# KiCad board master-circuit.kicad_pcb (continued)
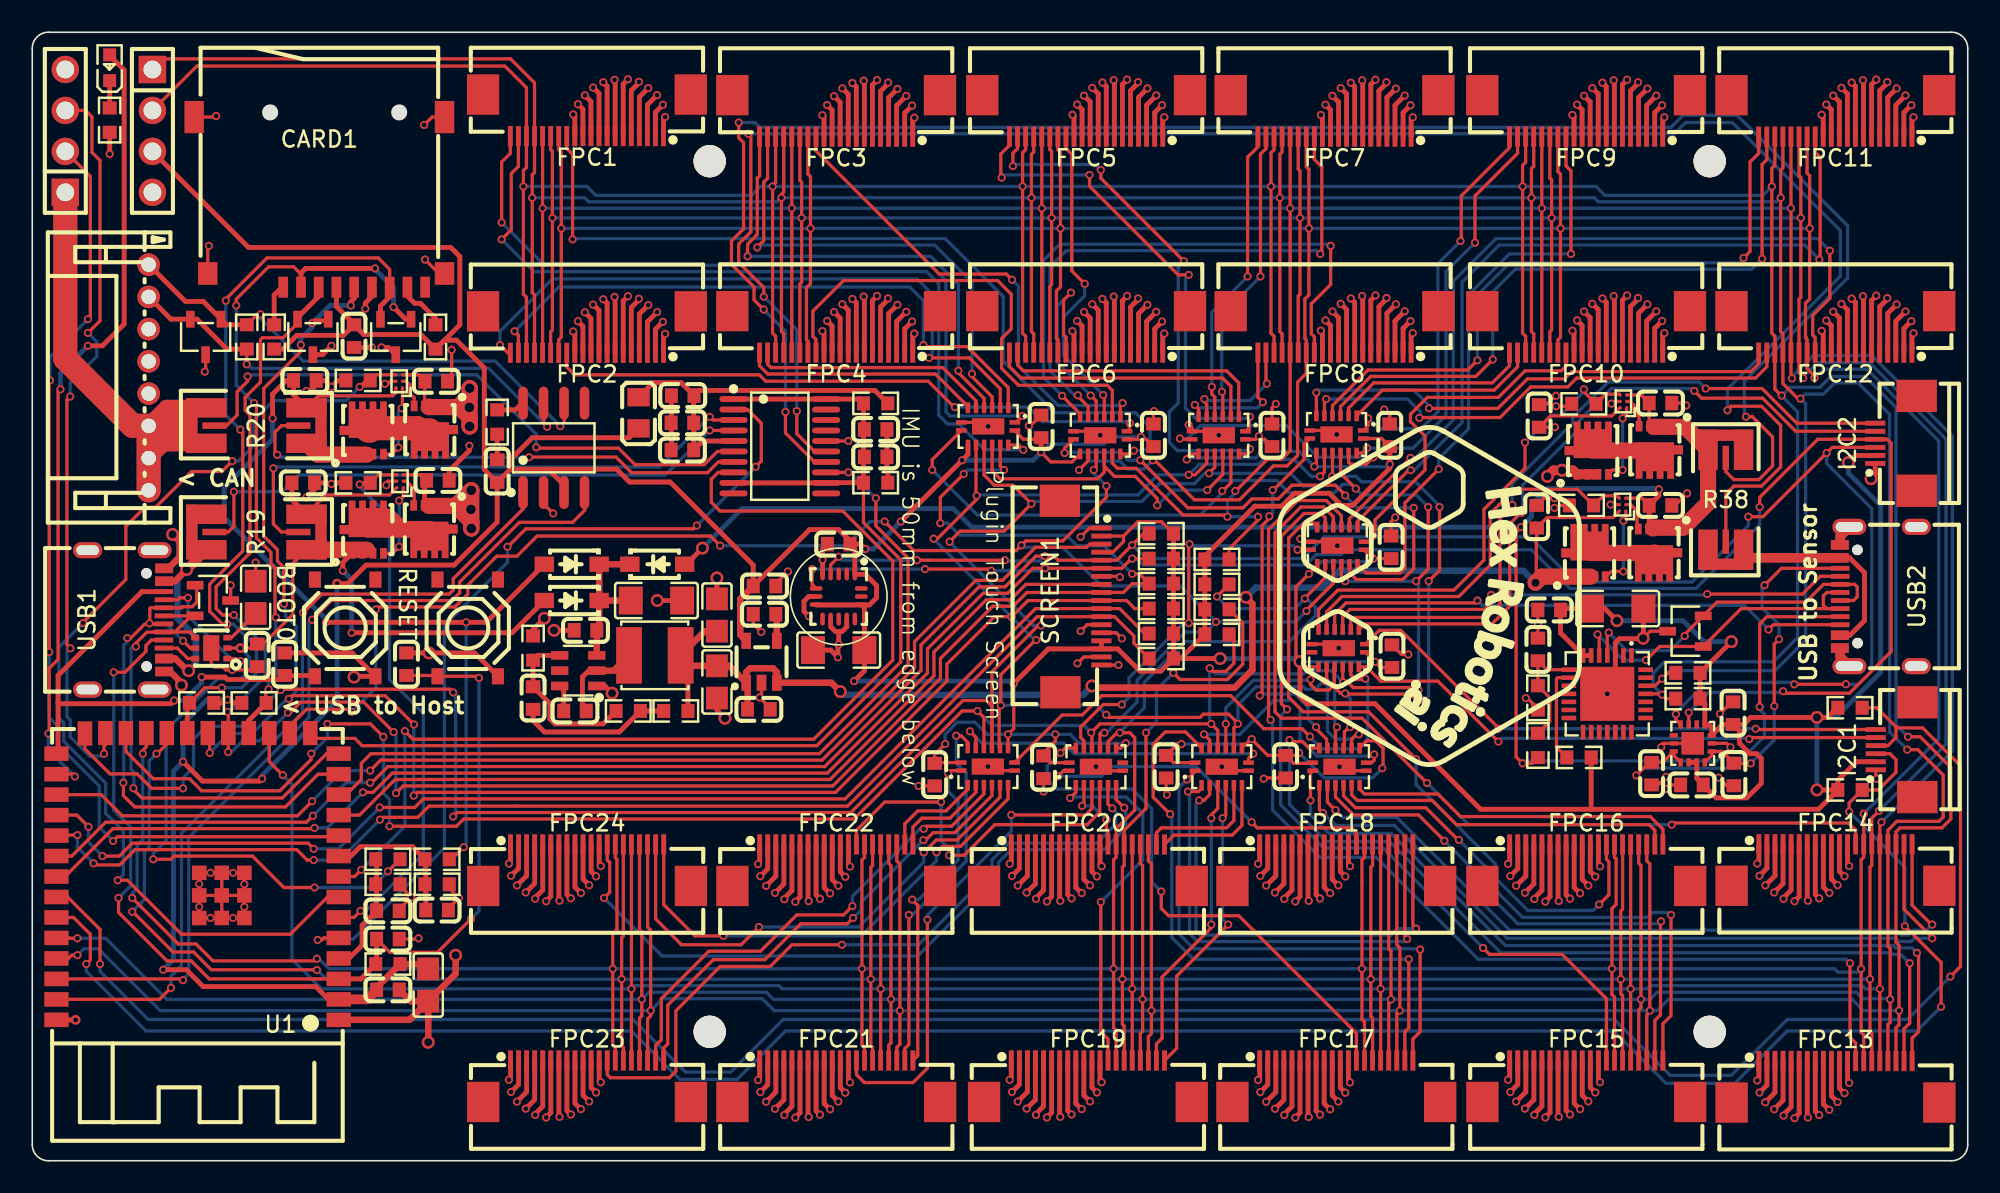
[diagram p0: board, top side]
## Routing (per net, layer and track width the routed paths; a pad name or vN(x,y) marks a point on that pad's centre or on a via; arc(x,y) is an arc through that point) (continued)
  Bottom w0.2: v1(116.85,12.9) 116.55,13.2 115.54,13.2 115.39,13.35 91.33,13.35 86.63,18.05 86.5,18.05 84.25,20.3 80.4,20.3 79.25,21.45 v1(79.25,22.35)
/group-of-8-servo-connectors1/master-to-servo-connector5/SERVO_BOOT0/STOP: length 49.5
  Top w0.2: v1(117.8,13.8) 117.7,13.9 117.7,13.95 116.05,15.6 FPC14.19 ; v1(80.03,21.58) 79.8,21.8 U26.2
  Bottom w0.2: v1(117.8,13.8) 116.69,13.8 116.49,13.6 115.71,13.6 115.51,13.8 91.45,13.8 84.45,20.8 80.8,20.8 v1(80.03,21.58)
/group-of-8-servo-connectors1/master-to-servo-connector5/SERVO_CS: length 56.3
  Top w0.2: FPC14.13 113.05,20.51 112.61,20.95 101.75,20.95 v1(101.65,20.85) ; U24.5 80.66,39.95 80.06,40.55 78.65,40.55 77.05,38.95 77.05,27.85 77.45,27.45 82.45,27.45 86.47,23.43 v1(86.48,23.43)
  Bottom w0.2: v1(101.65,20.85) 89.06,20.85 v1(86.48,23.43)
/group-of-8-servo-connectors1/master-to-servo-connector5/SERVO_NRST: length 47.7
  Top w0.2: U26.3 80.3,22.25 v1(80.8,21.75) ; v1(117.8,14.65) 117.75,14.65 116.55,15.85 FPC14.20
  Bottom w0.2: v1(117.8,14.65) 117.45,14.3 116.62,14.3 116.33,14 115.87,14 115.58,14.3 91.6,14.3 84.6,21.3 81.25,21.3 v1(80.8,21.75)
/group-of-8-servo-connectors1/master-to-servo-connector6/SERVO_BOOT0/STOP: length 33.4
  Top w0.2: U26.4 80.8,22.57 81.92,21.45 85.95,21.45 v1(87.55,19.85) ; FPC15.19 100.6,8.7 100.95,9.05 100.95,14.81 v1(100.99,14.85)
  Bottom w0.2: v1(100.99,14.85) 100.84,14.7 92.1,14.7 89.2,17.6 89.2,18.2 v1(87.55,19.85)
/group-of-8-servo-connectors1/master-to-servo-connector6/SERVO_CS: length 50
  Top w0.2: v1(89.95,13.2) 90.35,12.8 94.85,12.8 97.6,10.05 FPC15.13 ; v1(77.8,28) 77.45,28.35 77.45,38.75 78.85,40.15 79.9,40.15 80.16,39.88 U24.6
  Bottom w0.2: v1(89.95,13.2) 83.75,19.4 80.08,19.4 77.4,22.08 77.4,27.6 v1(77.8,28)
/group-of-8-servo-connectors1/master-to-servo-connector6/SERVO_NRST: length 34
  Top w0.2: v1(101.6,15.25) 101.6,9 101.1,8.5 FPC15.20 ; U26.5 81.3,22.63 82.03,21.9 86.4,21.9 88.4,19.9 v1(88.45,19.9)
  Bottom w0.2: v1(101.6,15.25) 101.45,15.4 100.45,15.4 100.15,15.1 92.4,15.1 90.15,17.35 90.15,18.2 v1(88.45,19.9)
/group-of-8-servo-connectors1/master-to-servo-connector7/SERVO_BOOT0/STOP: length 21.2
  Top w0.2: U26.6 81.8,22.7 82.15,22.35 86.8,22.35 88.3,20.85 100.25,20.85 100.6,20.5 FPC16.19
/group-of-8-servo-connectors1/master-to-servo-connector7/SERVO_CS: length 42.5
  Top w0.2: FPC16.13 97.6,18.7 97.75,18.55 97.75,16.5 v1(97.15,15.9) ; v1(85.8,24.9) 82.85,27.85 78.8,27.85 77.9,28.75 77.9,38.63 78.87,39.6 79.37,39.6 U24.7
  Bottom w0.2: v1(97.15,15.9) 96.77,15.52 92.73,15.52 90.7,17.55 90.7,18.43 85.8,23.33 v1(85.8,24.9)
/group-of-8-servo-connectors1/master-to-servo-connector7/SERVO_NRST: length 21
  Top w0.2: U26.7 82.3,23.05 82.6,22.75 87.15,22.75 88.55,21.35 100.31,21.35 101.1,20.56 FPC16.20
/group-of-8-servo-connectors1/master-to-servo-connector/SERVO_BOOT0/STOP: length 25.6
  Top w0.2: U25.15 82.44,43.89 82.75,44.2 v1(82.75,44.21) ; v1(89.45,56.95) 89.45,59.85 92.09,62.49 FPC9.19
  Bottom w0.2: v1(89.45,56.95) 87.65,55.15 87.65,46.25 85.6,44.2 82.76,44.2 v1(82.75,44.21)
/group-of-8-servo-connectors1/master-to-servo-connector/SERVO_CS: length 36.7
  Top w0.2: v1(87.2,42.9) 85.1,40.8 85.1,36.75 84.81,36.46 82.7,36.46 U24.15 ; v1(95.4,56.25) 95.4,61.4 95.09,61.71 FPC9.13
  Bottom w0.2: v1(87.2,42.9) 87.2,43.55 89.05,45.4 89.05,53.72 91.58,56.25 v1(95.4,56.25)
/group-of-8-servo-connectors1/master-to-servo-connector/SERVO_NRST: length 24.8
  Top w0.2: U25.1 82.82,45.6 v1(82.82,46.05) ; v1(88.55,57.05) 88.6,57.1 88.6,59.85 91.59,62.84 FPC9.20
  Bottom w0.2: v1(88.55,57.05) 87.15,55.65 87.15,46.45 86.1,45.4 83.47,45.4 v1(82.82,46.05)
/group-of-8-servo-connectors1/SHIFT_BANK1_DATA_OUT: length 24
  Top w0.2: v1(71.75,38.25) 71.7,38.2 v1(71.7,33.35) ; v1(67.55,28.3) 66.4,28.3 65,26.9 65,26.25 65.2,26.05 U27.14 ; v1(78.45,37.9) U24.9
  Bottom w0.2: v1(71.7,33.35) 71.4,33.35 68,29.95 68,28.75 v1(67.55,28.3) ; v1(78.45,37.9) 78.2,38.15 71.85,38.15 v1(71.75,38.25)
/group-of-8-servo-connectors1/SHIFT_BANK_2_DATA_OUT: length 15.9
  Top w0.2: U26.9 83.04,24.69 83.2,24.85 v1(83.2,25.2) ; U28.14 73,26.1 v1(72.65,26.45)
  Bottom w0.2: v1(83.2,25.2) 83.1,25.1 79.65,25.1 78.6,26.15 78.6,28.05 78.1,28.55 76.97,28.55 74.88,26.45 v1(72.65,26.45)
/group-of-8-servo-connectors2/master-to-servo-connector1/SERVO_BOOT0/STOP: length 29.7
  Top w0.2: U28.2 72.5,23.1 72.3,22.9 v1(71.65,22.9) ; FPC18.19 85.1,13.9 v1(85.25,13.75)
  Bottom w0.2: v1(85.25,13.75) 85.1,13.6 72.25,13.6 71.75,14.1 71.75,22.8 v1(71.65,22.9)
/group-of-8-servo-connectors2/master-to-servo-connector1/SERVO_CS: length 22
  Top w0.2: FPC18.13 82.1,20.35 81.8,20.65 75.95,20.65 v1(75.6,21) ; v1(63.6,23.85) 63.94,24.19 U27.1
  Bottom w0.2: v1(75.6,21) 72.15,24.45 66.9,24.45 66.3,23.85 v1(63.6,23.85)
/group-of-8-servo-connectors2/master-to-servo-connector1/SERVO_NRST: length 28.8
  Top w0.2: U28.3 73,22.71 72.64,22.35 v1(72.35,22.35) ; v1(85.8,14.4) 85.6,14.6 FPC18.20
  Bottom w0.2: v1(72.35,22.35) 72.15,22.15 72.15,14.27 72.42,14 84.25,14 84.65,14.4 v1(85.8,14.4)
/group-of-8-servo-connectors2/master-to-servo-connector2/SERVO_BOOT0/STOP: length 18.6
  Top w0.2: v1(73.1,21.25) 73.1,21.45 73.5,21.85 U28.4 ; v1(73.1,14.65) 73.1,14.45 70.05,11.4 70.05,7.6 69.7,7.25 FPC19.19
  Bottom w0.2: v1(73.1,14.65) v1(73.1,21.25)
/group-of-8-servo-connectors2/master-to-servo-connector2/SERVO_CS: length 22.5
  Top w0.2: U27.2 64.7,22.85 v1(64.35,22.5) ; FPC19.13 66.7,7.55 66.25,8 v1(66.25,16.05)
  Bottom w0.2: v1(64.35,22.5) 64.41,22.56 67.81,22.56 68.85,21.53 68.85,18.65 v1(66.25,16.05)
/group-of-8-servo-connectors2/master-to-servo-connector2/SERVO_NRST: length 18.9
  Top w0.2: v1(74.15,14.65) 70.95,11.45 70.95,6.97 FPC19.20 ; v1(73.8,21.25) 74,21.45 U28.5
  Bottom w0.2: v1(73.8,21.25) 73.8,15 v1(74.15,14.65)
/group-of-8-servo-connectors2/master-to-servo-connector3/SERVO_BOOT0/STOP: length 8
  Top w0.2: U28.6 74.5,21.1 74.05,20.65 70,20.65 69.7,20.35 FPC20.19
/group-of-8-servo-connectors2/master-to-servo-connector3/SERVO_CS: length 4.8
  Top w0.2: v1(65.09,22.01) 65.2,22.13 U27.3 ; FPC20.13 66.7,20.5 66.6,20.6 v1(66.6,21.15)
  Bottom w0.2: v1(65.09,22.01) 65.74,22.01 v1(66.6,21.15)
/group-of-8-servo-connectors2/master-to-servo-connector3/SERVO_NRST: length 7.8
  Top w0.2: U28.7 75,20.8 74.4,20.2 70.78,20.2 FPC20.20
/group-of-8-servo-connectors2/master-to-servo-connector4/SERVO_BOOT0/STOP: length 23.3
  Top w0.2: v1(57.29,26.36) 57.59,26.36 58,25.95 U29.15 ; FPC21.19 54.1,6.96 54.35,7.21 v1(54.35,15.25)
  Bottom w0.2: v1(57.29,26.36) 57.29,24.66 57.9,24.05 57.9,18.58 54.57,15.25 v1(54.35,15.25)
/group-of-8-servo-connectors2/master-to-servo-connector4/SERVO_CS: length 30.3
  Top w0.2: FPC21.13 51.1,5.34 51.59,4.85 54.61,4.85 55.5,5.74 v1(55.5,14.95) ; U27.4 65.7,21.85 65.3,21.45 v1(60.7,21.45)
  Bottom w0.2: v1(55.5,14.95) 55.5,15.23 60.7,20.43 v1(60.7,21.45)
/group-of-8-servo-connectors2/master-to-servo-connector4/SERVO_NRST: length 20.6
  Top w0.2: v1(54.55,16.2) 54.9,15.85 54.9,6.52 FPC21.20 ; v1(56.79,24.03) 56.96,24.2 U29.1
  Bottom w0.2: v1(54.55,16.2) 54.95,16.2 57.4,18.65 57.4,22.3 56.79,22.91 v1(56.79,24.03)
/group-of-8-servo-connectors2/master-to-servo-connector5/SERVO_BOOT0/STOP: length 6.3
  Top w0.2: U29.2 58,23.05 56.65,21.7 54.9,21.7 54.1,20.9 FPC22.19
/group-of-8-servo-connectors2/master-to-servo-connector5/SERVO_CS: length 22.5
  Top w0.2: v1(56.35,22.25) 52.85,22.25 51.1,20.5 FPC22.13 ; U27.5 66.19,23.27 66.19,21.64 65.4,20.85 59.68,20.85 57.78,18.95 v1(56.85,18.95)
  Bottom w0.2: v1(56.85,18.95) 56.85,19.35 56.35,19.85 v1(56.35,22.25)
/group-of-8-servo-connectors2/master-to-servo-connector5/SERVO_NRST: length 6.3
  Top w0.2: FPC22.20 54.6,20.7 55.15,21.25 56.9,21.25 58.5,22.85 U29.3
/group-of-8-servo-connectors2/master-to-servo-connector6/SERVO_BOOT0/STOP: length 30.1
  Top w0.2: FPC23.19 38.65,7.15 39,7.5 39,10.05 41.95,13 45.15,13 47.4,15.25 50.3,15.25 v1(50.85,15.8) ; v1(55.26,20.59) 55.43,20.75 57,20.75 59,22.75 U29.4
  Bottom w0.2: v1(50.85,15.8) 50.85,16.4 55.04,20.59 v1(55.26,20.59)
/group-of-8-servo-connectors2/master-to-servo-connector6/SERVO_CS: length 44.2
  Top w0.2: v1(66.96,21.86) 66.69,22.14 66.69,23.27 U27.6 ; FPC23.13 35.65,5.34 35.84,5.15 39.5,5.15 39.9,5.55 39.9,9.3 42.65,12.05 45.75,12.05 47.1,13.4 v1(50.2,13.4)
  Bottom w0.2: v1(66.96,21.86) 67.19,21.64 67.19,20.89 66,19.7 60.53,19.7 59.5,18.67 59.5,17.95 54.95,13.4 v1(50.2,13.4)
/group-of-8-servo-connectors2/master-to-servo-connector6/SERVO_NRST: length 29.9
  Top w0.2: v1(50.89,15.06) 50.53,14.7 47.65,14.7 45.43,12.47 42.22,12.47 39.4,9.65 39.4,7.25 39.15,7 FPC23.20 ; v1(55.25,19.89) 55.39,19.89 55.85,20.35 57.2,20.35 59.5,22.65 U29.5
  Bottom w0.2: v1(55.25,19.89) 51.4,16.04 51.4,15.55 50.91,15.06 v1(50.89,15.06)
/group-of-8-servo-connectors2/master-to-servo-connector7/SERVO_BOOT0/STOP: length 31.5
  Top w0.2: U29.6 60,22.55 57.35,19.9 56.05,19.9 55.28,19.13 v1(55.27,19.13) ; FPC24.19 38.65,15 40.25,13.4 43.95,13.4 v1(45.05,14.5)
  Bottom w0.2: v1(55.27,19.13) 55.27,18.52 51.25,14.5 v1(45.05,14.5)
/group-of-8-servo-connectors2/master-to-servo-connector7/SERVO_CS: length 44.2
  Top w0.2: 67.19,23.09 67.2,23.11 U27.7 67.2,22.4 v1(67.7,21.9) ; v1(35.45,16.3) 35.8,16.65 35.8,18.51 35.65,18.66 FPC24.13
  Bottom w0.2: v1(67.7,21.9) 67.8,21.8 67.8,20.65 66.45,19.3 60.7,19.3 59.9,18.5 59.9,17.7 54.9,12.7 39.05,12.7 v1(35.45,16.3)
/group-of-8-servo-connectors2/master-to-servo-connector7/SERVO_NRST: length 30.6
  Top w0.2: v1(42.85,13.95) 41.08,13.95 39.15,15.88 FPC24.20 ; v1(56.06,19.14) 56.43,19.5 57.55,19.5 60.5,22.45 U29.7
  Bottom w0.2: v1(42.85,13.95) 51.4,13.95 56.06,18.61 v1(56.06,19.14)
/group-of-8-servo-connectors2/master-to-servo-connector/SERVO_BOOT0/STOP: length 37.8
  Top w0.2: v1(70.55,21.5) 69.5,22.55 69.5,25.85 70.25,26.6 71.5,26.6 U28.15 ; v1(85.34,12.5) 85.34,8.24 85.1,8 FPC17.19
  Bottom w0.2: v1(70.55,21.5) 70.55,21.5 70.65,21.4 70.65,13.85 72,12.5 v1(85.34,12.5)
/group-of-8-servo-connectors2/master-to-servo-connector/SERVO_CS: length 33.7
  Top w0.2: FPC17.13 82.1,7.9 74.8,15.2 70.45,15.2 70,15.65 v1(70,16.7) ; v1(63.75,25.3) 64.05,25.6 U27.15
  Bottom w0.2: v1(63.75,25.3) 62.93,24.48 62.93,23.67 63.55,23.05 68.2,23.05 69.4,21.85 69.4,17.3 v1(70,16.7)
/group-of-8-servo-connectors2/master-to-servo-connector/SERVO_NRST: length 33
  Top w0.2: v1(86.05,13.1) 86.05,8 85.6,7.55 FPC17.20 ; v1(71.6,23.65) 72.09,24.14 U28.1
  Bottom w0.2: v1(71.6,23.65) 71.1,23.15 71.1,14.07 72.02,13.15 86,13.15 v1(86.05,13.1)
/group-of-8-servo-connectors/master-to-servo-connector1/SERVO_BOOT0/STOP: length 38.6
  Top w0.2: v1(55.25,50.6) 55.35,50.5 57.97,50.5 60.51,47.95 U22.2 ; v1(29.9,51.45) 30.14,51.21 FPC2.19
  Bottom w0.2: v1(29.9,51.45) 32.65,54.2 54.4,54.2 55.25,53.35 v1(55.25,50.6)
/group-of-8-servo-connectors/master-to-servo-connector1/SERVO_CS: length 37.9
  Top w0.2: FPC2.13 33.14,49.24 33.63,48.75 45.08,48.75 45.48,48.35 55.55,48.35 57,46.9 57.05,46.9 v1(57.2,46.75) ; U21.1 68.03,45.41 68.03,45.73 v1(68.05,45.75)
  Bottom w0.2: v1(57.2,46.75) 61.75,46.75 62.65,45.85 67.95,45.85 68.02,45.78 68.02,45.72 v1(68.05,45.75)
/group-of-8-servo-connectors/master-to-servo-connector1/SERVO_NRST: length 40.6
  Top w0.2: FPC2.20 29.49,50.11 v1(29,50.6) ; v1(55.6,49.8) 58.1,49.8 60.01,47.89 U22.3
  Bottom w0.2: v1(55.6,49.8) 55.8,50 55.8,53.75 54.85,54.7 32.25,54.7 29,51.45 v1(29,50.6)
/group-of-8-servo-connectors/master-to-servo-connector2/SERVO_BOOT0/STOP: length 29.8
  Top w0.2: v1(44.95,56.65) 44.95,56.67 45.35,57.07 45.35,60.7 45.59,60.94 FPC3.19 ; v1(58.26,48.81) 58.26,48.64 59.51,47.39 U22.4
  Bottom w0.2: v1(44.95,56.65) 44.95,56.67 45.08,56.8 55.95,56.8 58.26,54.49 v1(58.26,48.81)
/group-of-8-servo-connectors/master-to-servo-connector2/SERVO_CS: length 30.3
  Top w0.2: FPC3.13 48.59,62.65 56.24,55 60.4,55 v1(60.75,54.65) ; U21.2 67.46,46.86 v1(67.6,47)
  Bottom w0.2: v1(67.6,47) 67.45,46.85 63.6,46.85 61.15,49.3 61.15,54.25 v1(60.75,54.65)
/group-of-8-servo-connectors/master-to-servo-connector2/SERVO_NRST: length 29.9
  Top w0.2: v1(57.42,49.01) 57.41,49 57.41,48.89 59.01,47.29 U22.5 ; v1(44.35,56.1) 44.35,56.85 44.95,57.45 44.95,60.95 45.1,61.1 45.1,63.52 FPC3.20
  Bottom w0.2: v1(44.35,56.1) 55.7,56.1 57.42,54.38 v1(57.42,49.01)
/group-of-8-servo-connectors/master-to-servo-connector3/SERVO_BOOT0/STOP: length 15
  Top w0.2: U22.6 58.51,47.14 56.45,49.2 45.8,49.2 45.59,49.41 FPC4.19
/group-of-8-servo-connectors/master-to-servo-connector3/SERVO_CS: length 30
  Top w0.2: U21.3 66.96,47.79 66.65,48.1 61.15,48.1 60.1,49.15 60.1,51 60.7,51.6 60.7,53.75 59.85,54.6 50.3,54.6 48.4,52.7 48.4,51.14 48.59,50.95 FPC4.13
/group-of-8-servo-connectors/master-to-servo-connector3/SERVO_NRST: length 14.9
  Top w0.2: U22.7 58.01,46.79 56,48.8 45.6,48.8 45.09,49.31 FPC4.20
/group-of-8-servo-connectors/master-to-servo-connector4/SERVO_BOOT0/STOP: length 33.1
  Top w0.2: v1(75.5,44.15) 75.5,44 75.34,43.84 U23.15 ; v1(60.8,61.7) 60.8,62.49 61.09,62.78 FPC5.19 ; v1(66.25,61.45) 66.25,60.95 v1(71.4,55.8)
  Bottom w0.2: v1(71.4,55.8) 71.05,55.45 71.05,47 70.5,46.45 70.5,44.55 71,44.05 75.4,44.05 v1(75.5,44.15) ; v1(60.8,61.7) 60.85,61.7 60.95,61.8 65.9,61.8 v1(66.25,61.45)
/group-of-8-servo-connectors/master-to-servo-connector4/SERVO_CS: length 19.4
  Top w0.2: v1(66.4,47.5) 66.46,47.44 U21.4 ; FPC5.13 64.09,62.78 64.45,62.42 64.45,55.2 v1(65.25,54.4)
  Bottom w0.2: v1(66.4,47.5) 63.94,49.96 63.94,52.34 65.25,53.65 v1(65.25,54.4)
/group-of-8-servo-connectors/master-to-servo-connector4/SERVO_NRST: length 31.1
  Top w0.2: v1(75.5,46.15) 75.45,46.1 75.45,45.48 U23.1 ; v1(65.55,61.15) 65.55,60.45 71.05,54.95 v1(71.7,54.95) ; v1(60.1,60.98) 60.05,61.03 60.05,62.45 60.59,62.99 FPC5.20
  Bottom w0.2: v1(60.1,60.98) 60.1,61.05 60.2,61.15 v1(65.55,61.15) ; v1(75.5,46.15) 75.4,46.05 72.13,46.05 71.5,46.68 71.5,54.75 v1(71.7,54.95)
/group-of-8-servo-connectors/master-to-servo-connector5/SERVO_BOOT0/STOP: length 17
  Top w0.2: U23.2 74.8,46.17 74.8,48.25 74.05,49 61.45,49 61.09,49.36 FPC6.19
/group-of-8-servo-connectors/master-to-servo-connector5/SERVO_CS: length 13
  Top w0.2: U21.5 65.96,47.14 65.63,47.47 v1(65.62,47.47) ; v1(64.4,53.85) 63.94,53.39 63.94,51.23 64.09,51.08 FPC6.13
  Bottom w0.2: v1(64.4,53.85) 63.54,52.99 63.54,49.55 v1(65.62,47.47)
/group-of-8-servo-connectors/master-to-servo-connector5/SERVO_NRST: length 17
  Top w0.2: FPC6.20 60.59,49.26 61.3,48.55 73.8,48.55 74.31,48.04 U23.3
/group-of-8-servo-connectors/master-to-servo-connector6/SERVO_BOOT0/STOP: length 18.5
  Top w0.2: U23.4 73.81,47.65 v1(73.76,47.7) ; FPC7.19 76.49,62.78 76.15,62.44 v1(76.15,54.85)
  Bottom w0.2: v1(76.15,54.85) 73.75,52.45 73.75,47.71 v1(73.76,47.7)
/group-of-8-servo-connectors/master-to-servo-connector6/SERVO_CS: length 35.1
  Top w0.2: FPC7.13 79.49,62.11 79.95,61.65 79.95,56.35 v1(79.85,56.25) ; U21.6 65.46,46.79 64.83,47.42 v1(64.83,47.48)
  Bottom w0.2: v1(79.85,56.25) 79.65,56.45 64.1,56.45 63.1,55.45 63.1,49 64.62,47.48 v1(64.83,47.48)
/group-of-8-servo-connectors/master-to-servo-connector6/SERVO_NRST: length 18.6
  Top w0.2: v1(73.13,48) 73.13,47.55 73.31,47.37 U23.5 ; v1(75.35,54.85) 75.35,62.25 75.99,62.89 FPC7.20
  Bottom w0.2: v1(75.35,54.85) 73.13,52.63 v1(73.13,48)
/group-of-8-servo-connectors/master-to-servo-connector7/SERVO_BOOT0/STOP: length 7.5
  Top w0.2: FPC8.19 76.49,48.26 v1(76.55,48.2) ; v1(72.67,47.25) 72.67,47.08 72.81,46.94 U23.6
  Bottom w0.2: v1(76.55,48.2) 75.5,47.15 72.77,47.15 v1(72.67,47.25)
/group-of-8-servo-connectors/master-to-servo-connector7/SERVO_CS: length 36.1
  Top w0.2: U21.7 64.96,46.34 v1(63.85,47.45) ; FPC8.13 79.49,51.11 79.3,51.3 79.3,53.15 80.5,54.35 v1(80.5,56.75)
  Bottom w0.2: v1(63.85,47.45) 62.7,48.6 62.7,55.85 63.7,56.85 80.35,56.85 80.45,56.75 v1(80.5,56.75)
/group-of-8-servo-connectors/master-to-servo-connector7/SERVO_NRST: length 8.5
  Top w0.2: FPC8.20 75.99,47.36 v1(76.3,47.05) ; v1(72.08,46.89) 72.08,46.87 72.31,46.64 U23.7
  Bottom w0.2: v1(72.08,46.89) 72.26,46.7 75.95,46.7 v1(76.3,47.05)
/group-of-8-servo-connectors/master-to-servo-connector/SERVO_BOOT0/STOP: length 50.4
  Top w0.2: FPC1.19 30.14,61.68 29.7,61.24 29.7,57.75 v1(29.1,57.15) ; U22.15 61.16,44.39 v1(61.45,44.1)
  Bottom w0.2: v1(61.45,44.1) 59.05,44.1 57.45,45.7 56.75,45.7 56.2,46.25 56.2,54.4 55.45,55.15 31.1,55.15 v1(29.1,57.15)
/group-of-8-servo-connectors/master-to-servo-connector/SERVO_CS: length 52.7
  Top w0.2: U21.15 68.09,43.84 v1(68.3,44.05) ; FPC1.13 33.14,62.78 33.5,62.42 v1(33.5,57.15)
  Bottom w0.2: v1(33.5,57.15) 33.55,57.2 56.6,57.2 60.2,53.6 60.2,49.6 63.4,46.4 68.4,46.4 69.3,45.5 69.3,44.4 68.95,44.05 v1(68.3,44.05)
/group-of-8-servo-connectors/master-to-servo-connector/SERVO_NRST: length 48.3
  Top w0.2: v1(29.1,58.2) 29.1,61.95 29.64,62.49 FPC1.20 ; U22.1 61,45.8 v1(61.4,46.2)
  Bottom w0.2: v1(29.1,58.2) 31.75,55.55 55.68,55.55 56.65,54.58 56.65,46.45 56.9,46.2 v1(61.4,46.2)
/group-of-8-servo-connectors/SHIFT_BANK1_DATA_OUT: length 34.1
  Top w0.2: v1(81.4,41.26) 81.26,41.41 81.26,41.44 80.8,41.9 78.1,41.9 77.25,41.05 75.61,41.05 75.06,40.5 71.65,40.5 v1(68.7,43.45) ; v1(85.65,40.5) 85.65,36.73 84.97,36.05 82.1,36.05 81.66,36.49 U24.14 ; v1(64,43.9) 64,44.19 U21.9
  Bottom w0.2: v1(68.7,43.45) 67.95,43.45 67.45,43.95 64.3,43.95 64.25,43.9 v1(64,43.9) ; v1(85.65,40.5) 82.15,40.5 81.4,41.25 v1(81.4,41.26)
/group-of-8-servo-connectors/SHIFT_BANK_2_DATA_OUT: length 16.3
  Top w0.2: U25.14 81.61,43.32 81.73,43.2 82.7,43.2 83.13,43.63 v1(83.15,43.63) ; U23.9 71.2,44.75 v1(71.15,44.8)
  Bottom w0.2: v1(71.15,44.8) 71.63,44.8 72.43,45.6 77.75,45.6 79.7,43.65 83.13,43.65 v1(83.15,43.63)
/LDO-Bypass-Capacitor: length 1.7
  Top w0.4: C9.2 46.16,33.84 U3.4
BATTERY_1: length 60.2
  Top w0.2: v1(1.1,48.4) 1.05,48.35 v1(1.05,31.55) ; v1(3.45,52.2) 3.6,52.35 3.6,61.06 H2.2 ; U1.10 18.93,20.1 5.28,20.1 v1(5.01,19.84)
  Bottom w0.2: v1(5.01,19.84) 4.15,20.7 4.15,23.25 1.55,25.85 1.55,27 1.05,27.5 v1(1.05,31.55) ; v1(1.1,48.4) 1.1,49.85 v1(3.45,52.2)
BATTERY_2: length 46
  Top w0.2: U1.25 4.53,25.81 4.45,25.73 v1(4.45,25.25) ; H2.3 3.3,65.15 3.7,64.75 3.7,62.55 4.2,62.05 4.2,52.1 v1(3.45,51.35) ; v1(2.35,47.4) 2.15,47.2 2.15,32 v1(2.36,31.79)
  Bottom w0.2: v1(3.45,51.35) 4,50.8 4,49.9 2.35,48.25 v1(2.35,47.4) ; v1(4.45,25.25) 4.3,25.1 3.55,25.1 2.35,26.3 2.35,27.33 2.15,27.53 2.15,31.57 v1(2.36,31.79)
BATTERY_CURRENT: length 65.7
  Top w0.2: 43.48,42.7 42.52,42.7 42.1,42.28 42.1,40.85 42.65,40.3 50.25,40.3 53.35,37.2 53.35,31.05 48.45,26.15 23.6,26.15 v1(23.1,26.65) ; U1.8 19.98,17.63 v1(20.4,18.05)
  Bottom w0.2: v1(23.1,26.65) 23.1,20.75 v1(20.4,18.05)
BATTERY_VOLTAGE: length 9.1
  Top w0.3: C11.2 24.4,18.65 R4.1 23.56,19.48 20.33,19.48 19.75,18.9 U1.9
BOOT0: length 30.6
  Top w0.3: SW1.1 17.47,30.1 C4.2 15.4,29.85 12.1,29.85 11.95,30 v1(10.5,30) ; 1.6,28.4 1.6,30.1 6.8,35.3 USB1.B8 ; 1.6,28.4 1.6,25.35 U1.27 ; 1.6,28.4 1.65,28.35 8.6,28.35 v1(8.8,28.55)
  Bottom w0.3: v1(8.8,28.55) 9.4,28.55 10.5,29.65 v1(10.5,30)
Buck-FB: length 10.4
  Top w0.3: R5.1 35.4,27.1 32.4,27.1 32.1,27.4 32.1,28.35 C6.1 R6.2 31.35,31.35 U4.4
CAN_RX: length 54.8
  Top w0.2: v1(17.35,33.56) 18.54,34.75 26.02,34.75 26.5,35.23 26.5,35.9 30.2,39.6 33.5,39.6 34.25,40.36 34.25,41.53 ; U1.38 9.27,11.28 v1(9.35,11.2)
  Bottom w0.2: v1(9.35,11.2) 9.35,11.25 9.7,11.6 9.7,20.05 17.15,27.5 17.15,33.36 v1(17.35,33.56)
CAN_TX: length 51.9
  Top w0.2: v1(16.8,34) 17.95,35.15 25.85,35.15 26.1,35.4 26.1,36.1 30.44,40.44 30.44,41.53 ; U1.39 7.88,10.01 v1(8.6,10.73)
  Bottom w0.2: v1(16.8,34) 16.75,33.95 16.75,27.8 9.25,20.3 9.25,12.1 8.6,11.45 v1(8.6,10.73)
CANH: length 30.2
  Top w0.2: v1(13.3,49.4) R16.2 ; 31.72,47.07 31.72,45.73 v1(31.92,45.53)
  Top w0.3: R16.2 12.07,50.35 10.21,52.2 D7.2 8.6,52.2 U19.2
  Bottom w0.2: v1(31.92,45.53) 28.3,49.15 27.73,49.15 27.73,49.15 13.63,49.15 13.58,49.2 13.5,49.2 v1(13.3,49.4)
CANL: length 32
  Top w0.2: R16.1 13.3,51.85 13.95,52.5 v1(14.15,52.5) ; 32.98,47.07 32.98,45.81 v1(32.74,45.56)
  Top w0.3: R16.1 12.05,51.85 D7.1 10.6,53.3 9.5,53.3 U19.1
  Bottom w0.2: v1(32.74,45.56) 28.7,49.6 16.8,49.6 14.15,52.25 v1(14.15,52.5)
CC1: length 7.9
  Top w0.2: USB1.A5 9.02,34.8 9.14,34.92 v1(9.65,34.92) ; U5.1 12.6,31.15 12.75,31 v1(12.9,31)
  Bottom w0.2: v1(9.65,34.92) 9.65,33.8 12.45,31 v1(12.9,31)
CC2: length 2.2
  Top w0.2: USB1.B5 8.99,31.8 9.64,31.15 U5.6
CONNECT_BATTERY: length 63.1
  Top w0.2: 22.55,48.75 21.3,48.75 R34.2 20.7,48.4 v1(20.3,48) ; U1.7 18.31,16.36 16,14.05 9.25,14.05 5.9,17.4 v1(5.3,17.4) ; v1(3.15,33.35) 3.15,33.4 5.8,36.05 5.8,39.35 6.98,40.53 7.65,40.53 9.87,42.75 11.75,42.75 v1(12.4,43.4)
  Bottom w0.2: v1(12.4,43.4) 12.78,43.4 13.75,44.37 13.75,45.95 14.95,47.15 19.45,47.15 v1(20.3,48) ; v1(5.3,17.4) 5.65,17.75 5.65,20.45 4.55,21.55 4.55,23.42 1.95,26.02 1.95,27.17 1.65,27.47 1.65,31.85 v1(3.15,33.35)
CONNECT_SENSORS_5V: length 25
  Top w0.2: U8.6 80.25,34.05 81.2,35 88.45,35 90.4,36.95 90.4,40.15 91.9,41.65 95.8,41.65 R37.2 97.4,41.25 97.4,41.25 98.25,41.25 U13.C2
CONNECT_SENSORS_VCC: length 29.2
  Top w0.2: U8.7 79.75,34.2 80.95,35.4 88.15,35.4 90,37.25 90,40.4 92.55,42.95 v1(92.55,44.55) ; U7.C2 98.4,47.55 97.55,47.55 R35.2 96.2,47.7 v1(96.2,47.85)
  Bottom w0.2: v1(96.2,47.85) 96.2,47.7 94.75,46.25 94.25,46.25 v1(92.55,44.55)
CONNECT_VBUS: length 34
  Top w0.2: v1(20.3,41.95) 20.45,41.95 20.55,42.05 R36.2 21.45,42.55 U12.C2 ; U1.6 19.94,15.09 v1(20.35,15.5)
  Bottom w0.2: v1(20.3,41.95) 20.3,41.8 22.15,39.95 22.15,29.85 24.25,27.75 24.25,19.05 20.7,15.5 v1(20.35,15.5)
FSPICLK/SPI2_CLK: length 184.6
  Top w0.2: v1(82.25,26.45) 82.1,26.45 81.8,26.15 U26.11 ; v1(62.25,32.3) 62.2,32.3 60.05,30.15 v1(60.05,28.25) 59.95,28.15 59.95,25.66 U29.11 ; U8.11 80.25,29.83 v1(80.17,29.75) ; U25.11 80.11,42.72 v1(79.85,42.45) ; v1(55.89,38.59) 56.11,38.59 58.55,41.02 v1(58.55,41.25) 58.51,41.29 U22.11 ; v1(66.59,27.66) 66.75,27.5 72.4,27.5 72.6,27.7 74.18,27.7 74.75,27.13 v1(74.75,27.1) 74.5,26.85 U28.11 ; v1(23.65,22.65) 23.85,22.85 49.8,22.85 56.71,29.75 56.71,30.81 59.65,33.75 60.7,33.75 v1(60.72,33.73) 61.74,34.75 SCREEN1.10 67.85,34.75 68.35,34.25 R14.1 ; v1(15.6,34.55) 15.6,36.8 15.2,37.2 15.2,37.9 14.35,38.75 14.35,45.35 14.35,45.35 14.35,47.9 16.65,50.2 v1(16.65,50.6) ; v1(11,25.3) 11,26.42 U1.20 ; v1(15.9,28.65) 16.1,28.85 21.88,28.85 v1(23.67,27.06) ; U23.11 72.81,43.27 72.1,42.55 v1(71.7,42.55)
  Top w0.3: CARD1.5 19.96,53.49 19.75,53.28 v1(19.75,53.05) ; v1(17.35,51.95) 17.5,52.1 18.25,52.1 D6.1 18.3,52.15 18.3,52.15
  Bottom w0.2: v1(55.89,38.59) 55.89,38.56 v1(60.72,33.73) 60.7,33.71 60.74,33.71 62.15,32.3 v1(62.25,32.3) ; v1(66.59,27.66) 66,28.25 v1(60.05,28.25) ; v1(15.6,34.55) 15.7,34.45 15.7,33.8 16.35,33.15 16.35,29.1 v1(15.9,28.65) 15.8,28.65 13.65,26.5 12.2,26.5 v1(11,25.3) ; v1(23.65,22.65) 23.65,27.05 23.65,27.05 v1(23.67,27.06) ; v1(82.25,26.45) 82.1,26.45 81.8,26.15 80.8,26.15 80.3,26.65 80.3,29.62 v1(80.17,29.75) 80.05,29.75 79.55,29.25 78.95,29.25 78.8,29.4 75.87,29.4 74.75,28.28 v1(74.75,27.1) ; v1(79.85,42.45) 79.3,42.45 78.25,43.5 76.35,43.5 76.05,43.2 72.35,43.2 v1(71.7,42.55) 69.8,42.55 68.55,41.3 58.6,41.3 v1(58.55,41.25)
  Bottom w0.3: v1(16.65,50.6) 16.65,51 17.35,51.7 v1(17.35,51.95) 18.45,53.05 v1(19.75,53.05)
FSPICS0/MEMORY_CS: length 44.6
  Top w0.2: v1(13.75,47) 13.9,46.85 13.9,38.63 14.8,37.73 14.8,37.03 15.05,36.78 15.05,33.75 v1(15.1,33.7) ; CARD1.2 16.66,54.99 16.2,55.45 14.65,55.45 12.65,53.45 v1(12.65,53.05) ; v1(14.65,29.25) 14.47,29.07 14.47,28.43 R9.1
  Top w0.3: 14.25,28.4 R9.1 13.42,27.32 U1.18 ; CARD1.2 16.66,55.06 16.95,55.35 v1(21.25,55.35) ; v1(22.4,52.95) 23.15,52.2 D4.1
  Bottom w0.2: v1(13.75,47) 12.65,48.1 v1(12.65,53.05) ; v1(14.65,29.25) 14.65,29.71 15.1,30.16 v1(15.1,33.7)
  Bottom w0.3: v1(22.4,52.95) 22.4,54.15 21.25,55.3 v1(21.25,55.35)
FSPID/SPI2_MOSI: length 126.7
  Top w0.2: 16.4,52.2 D6.2 16.45,51.95 15.55,51.05 14.27,51.05 14.15,50.93 14.15,48.3 13.2,47.35 13.2,46.55 13.5,46.25 13.5,38.47 13.5,37.7 11.4,35.6 11.4,34.25 11.8,33.85 v1(12.5,33.85) ; v1(15.85,27.8) 16,27.8 16.65,28.45 20.55,28.45 v1(22.4,26.59) ; U22.14 60.01,43.09 v1(60.25,42.85) ; v1(12.1,27.85) 12.16,27.8 U1.19 12.16,25.58 12.15,25.58 v1(12.15,25.35) ; v1(22.55,22.8) 23,23.25 49.63,23.25 56.31,29.92 56.31,31.16 59.55,34.4 60.81,34.4 61.67,35.25 SCREEN1.9 67.65,35.25 68.2,35.8 R8.1 68.65,36.4 v1(68.2,36.4) ; v1(57.75,42.6) 56.3,41.15 v1(56.3,39.55)
  Top w0.3: CARD1.3 17.76,53.61 16.4,52.25 16.4,52.1
  Bottom w0.2: v1(12.5,33.85) 14.45,31.9 14.45,30.07 12.23,27.85 v1(12.1,27.85) ; v1(68.2,36.4) 66.45,38.15 64.77,38.15 64.12,38.8 57.5,38.8 56.75,39.55 v1(56.3,39.55) ; v1(60.25,42.85) 58,42.85 v1(57.75,42.6) ; v1(22.4,26.59) 22.55,26.44 v1(22.55,22.8) ; v1(15.85,27.8) 14.1,26.05 13.05,26.05 12.35,25.35 v1(12.15,25.35)
FSPIQ/SPI2_MISO: length 47.8
  Top w0.2: v1(12.09,33.28) 11.8,33.28 11,34.08 11,35.77 13.05,37.82 13.05,45.2 v1(12.9,45.35) ; CARD1.7 22.16,55.29 21.45,56 14.55,56 12,53.45 v1(12,53.35) ; v1(11.75,29.34) 10.69,29.34 R15.1
  Top w0.3: 22.2,54.15 CARD1.7 22.16,53.59 21.59,53.02 D4.2 ; U1.21 9.61,28.27 R15.1
  Bottom w0.2: v1(11.75,29.34) 12.99,29.34 13.9,30.25 13.9,31.85 12.47,33.28 v1(12.09,33.28) ; v1(12.9,45.35) 12,46.25 v1(12,53.35)
